# Altium PCB mb.PcbDoc
Units mm, origin at the board's own origin, x right, y up, seen from the top; angles counter-clockwise.
Board outline 68.58 x 106.93 mm, 2 copper layers (Top Layer, Bottom Layer), stack 1.671 mm thick; 8 components, 62 nets, 185 pads, 0 vias.
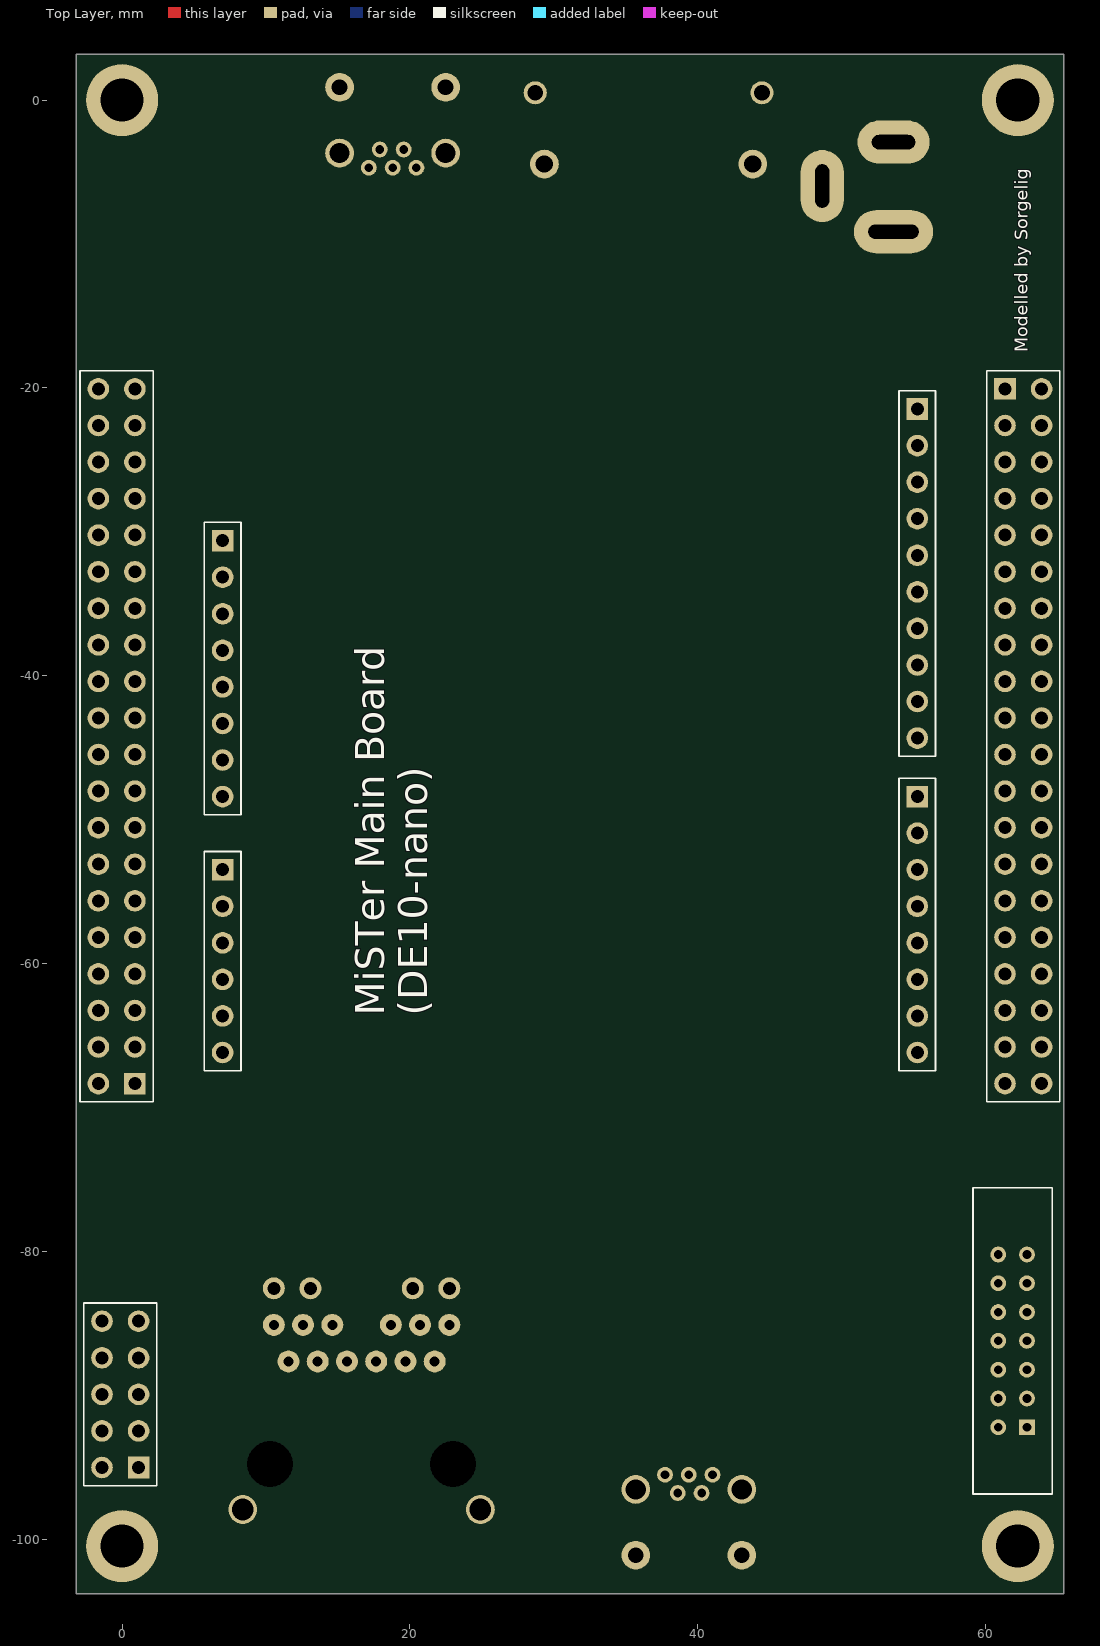
[diagram p0: Top Layer view]
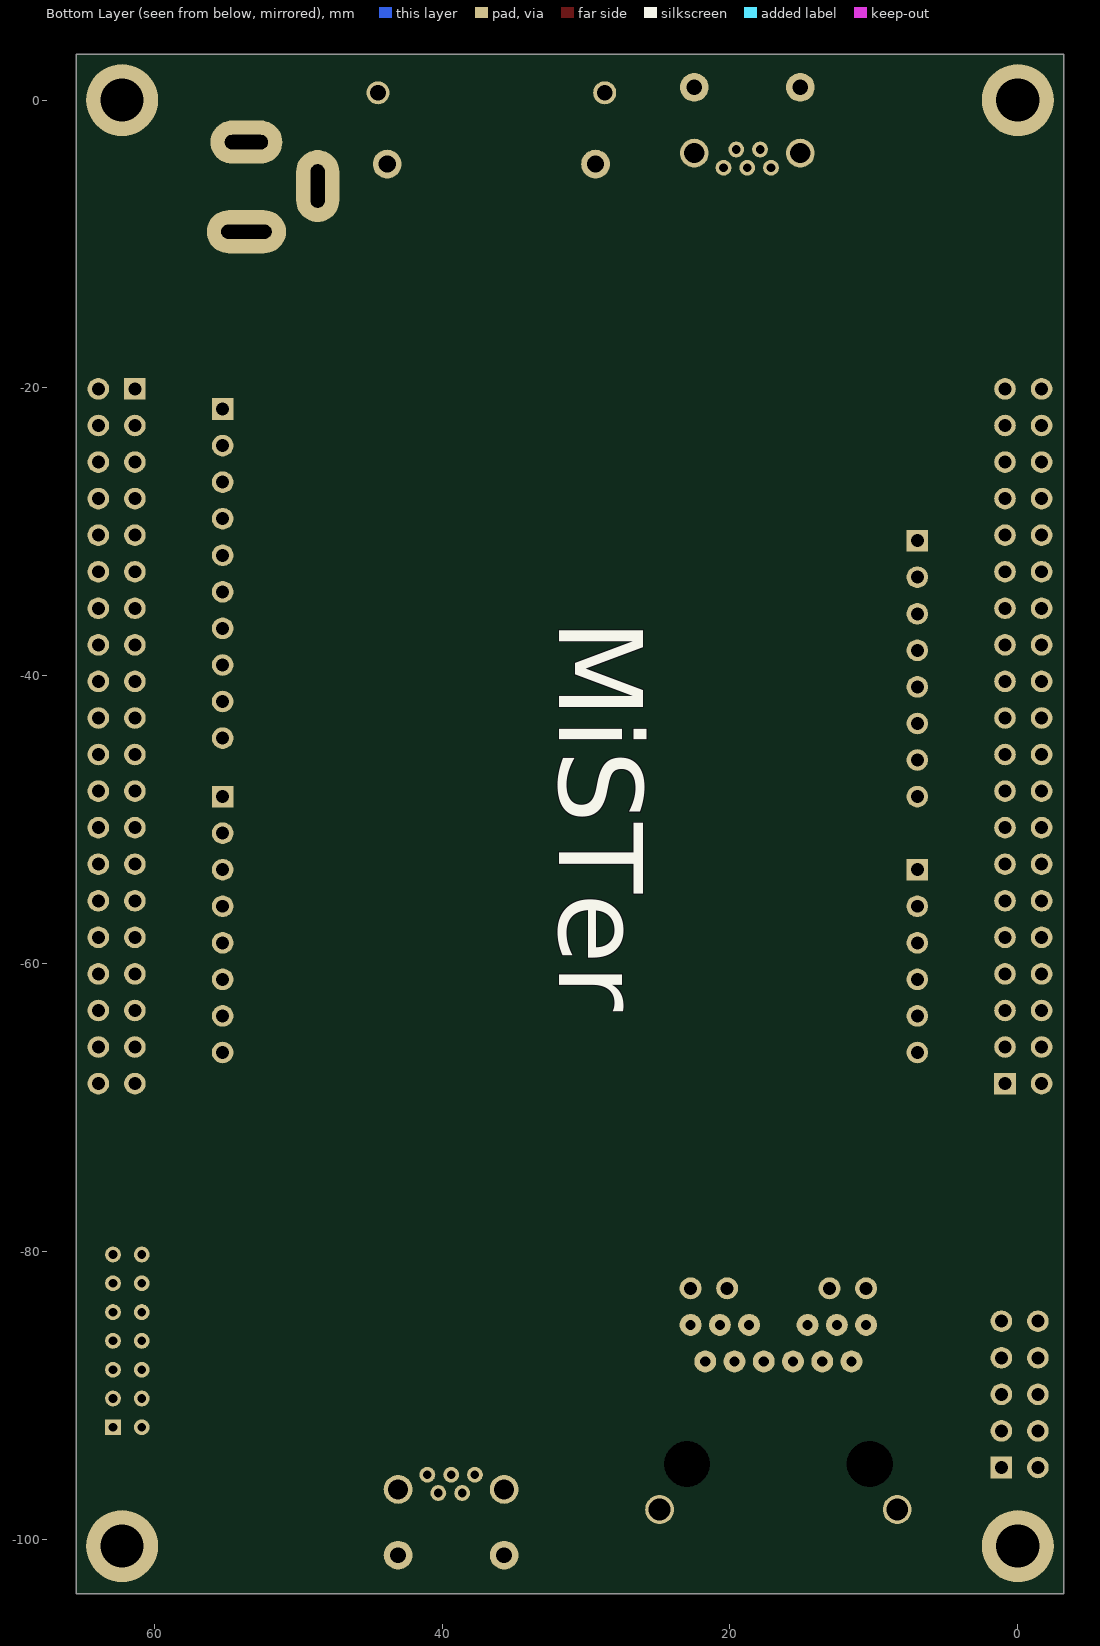
[diagram p1: Bottom Layer view, seen from below]

## Layer stack, top to bottom
Top Solder: solder mask 0.0102, Solder Resist, Dk 3.5
Top Layer: signal copper 0.0356
Dielectric 1: dielectric 1.6, FR-4, Dk 4.8
Bottom Layer: signal copper 0.0356
Bottom Solder: solder mask 0.0102, Solder Resist, Dk 3.5

## Board outline
65.405,3.175 -3.175,3.175 -3.175,-103.759 65.405,-103.759

## Design rules (kind name [scope] priority, off if disabled: settings)
BoardOutlineClearance [All] p1: gap=0 ignorepadtopadclearanceinfootprint=FALSE
Clearance keep-out_Clearance [OnLayer('Keep-Out Layer')] p1: gap=0 ignorepadtopadclearanceinfootprint=TRUE
Clearance [All] p2: gap=0.254 ignorepadtopadclearanceinfootprint=TRUE except(0: Arc-Hole Track-Hole SMDPad-Hole THPad-Hole Via-Hole Fill-Hole Poly-Hole Region-Hole Text-Hole)
ComponentClearance [All] p1 off: gap=0.254 collisioncheckmode=3 verticalgap=0.254 showdistances=FALSE
DiffPairsRouting [All] p1: maxlimit=0.254 minlimit=0.254 mostfreqgap=0.254 toplayer_minwidth=0.381 toplayer_maxwidth=0.381 toplayer_prefwidth=0.381 bottomlayer_minwidth=0.381 bottomlayer_maxwidth=0.381 bottomlayer_prefwidth=0.381 substack1={E4E31694-489D-4C8D-B382-0CE1957CDCA8} toplayer_{e4e31694-489d-4c8d-b382-0ce1957cdca8}_minwidth=0.381 toplayer_{e4e31694-489d-4c8d-b382-0ce1957cdca8}_maxwidth=0.381 toplayer_{e4e31694-489d-4c8d-b382-0ce1957cdca8}_prefwidth=0.381 bottomlayer_{e4e31694-489d-4c8d-b382-0ce1957cdca8}_minwidth=0.381 bottomlayer_{e4e31694-489d-4c8d-b382-0ce1957cdca8}_maxwidth=0.381 bottomlayer_{e4e31694-489d-4c8d-b382-0ce1957cdca8}_prefwidth=0.381 maxuncoupledlength=12.7
Height [All] p1 off: minheight=0 maxheight=25.4 prefheight=12.7
HoleSize [All] p1: absolutevalues=TRUE maxlimit=5 minlimit=0.025 maxpercent=80.000 minpercent=20.000
MinimumSolderMaskSliver [All] p1: minsoldermaskwidth=0.127
PolygonConnect PolygonConnect_comp [HasFootprint('C0805')] p1: connectstyle=Relief reliefconductorwidth=0.508 reliefentries=4 polygonreliefangle="90 Angle" airgapwidth=0.254
PolygonConnect PolygonConnect_comp_2 [HasFootprint('microsd')] p2: connectstyle=Relief reliefconductorwidth=0.508 reliefentries=4 polygonreliefangle="90 Angle" airgapwidth=0.254
PolygonConnect PolygonConnect_comp_3 [HasFootprint('tact 12x12')] p3: connectstyle=Relief reliefconductorwidth=0.508 reliefentries=4 polygonreliefangle="90 Angle" airgapwidth=0.254
PolygonConnect PolygonConnect_comp_1 [HasFootprint('TACT_60X35')] p4: connectstyle=Relief reliefconductorwidth=0.508 reliefentries=4 polygonreliefangle="90 Angle" airgapwidth=0.254
PolygonConnect [All] p5: connectstyle=Direct reliefconductorwidth=0.254 reliefentries=4 polygonreliefangle="90 Angle" airgapwidth=0.254
RoutingVias [All] p1: holewidth=0.4 width=0.9 viastyle="Through Hole" minholewidth=0.4 minwidth=0.9 maxholewidth=0.4 maxwidth=1
SilkToSilkClearance [All] p1 off: silktosilkclearance=0.254
SilkToSolderMaskClearance [IsPad] p1 off: minsilkscreentomaskgap=0.254 clearancetoexposedcopper=TRUE
SolderMaskExpansion SolderMaskExpansion_J1 [InComponent('J1')] p1: expansion=0 istentingtop=FALSE
SolderMaskExpansion [All] p2: expansion=0.051 istentingtop=FALSE
Width Width_power [InNetClass('power')] p1: maxlimit=2 minlimit=0.254 preferedwidth=0.508 substack1={E4E31694-489D-4C8D-B382-0CE1957CDCA8} minimp=50.000000 maximp=50.000000 favimp=50.000000
Width Width_signal [All] p2: maxlimit=0.254 minlimit=0.254 preferedwidth=0.254 substack1={E4E31694-489D-4C8D-B382-0CE1957CDCA8}
23 further rules are at their usual default settings.

## Classes and differential pairs
net class power: GND NetP5_1 VCC VDD VGA_PWR

## Components (designator, comment, footprint, x,y, rotation, side; value= is the part's Value field where it differs from the comment)
? "" hdr7x2m2 62.865,-92.202 r90 top locked
? "" hdr20x2m 0.889,-68.326 r90 top locked
? "" hdr20x2m 61.341,-20.066 r270 top locked
? "" hdr10f 55.245,-21.463 r270 top locked
? "" hdr8f 55.245,-48.387 r270 top locked
? "" hdr8f 6.985,-30.607 r270 top locked
? "" hdr6f 6.985,-53.467 r270 top locked
? "" hdr5x2m 1.143,-94.996 r90 top locked

## Footprints (in the part's own frame and the unit in brackets; to place one, negate y for a bottom-side part, rotate by r counter-clockwise, add the part's x,y. Pads: shape width x height; smd on the part's side, far side on the other; paste and mask are expansions set on the pad)
hdr5x2m [mm] "Header, Vertical, 2.54 mm pitch; 0.65 mm lead width, 10 pins, 2 rows, 5 pins per row, 12.70 mm L X 5.08 mm W X 8.60 mm H body"
  rect 1.5x1.5 hole 0.9 paste-1.5: 1(0,0)
  round 1.5 hole 0.9 paste-1.5: 2(0,2.54) 3(2.54,0) 4(2.54,2.54) 5(5.08,0) 6(5.08,2.54) 7(7.62,0) 8(7.62,2.54) 9(10.16,0) 10(10.16,2.54)
  silkscreen extent -1.27,-1.27 11.43,3.81, body extent -1.27,-1.27 11.43,3.81, height 8.6
hdr6f [mm] "Header, Vertical Receptacle, 2.54 mm pitch; 0.65 mm lead width, 6 pins, 1 row, 6 pins per row, 15.24 mm L X 2.54 mm W X 13.30 mm H body"
  rect 1.5x1.5 hole 0.9 paste-1.5: 1(0,0)
  round 1.5 hole 0.9 paste-1.5: 2(2.54,0) 3(5.08,0) 4(7.62,0) 5(10.16,0) 6(12.7,0)
  silkscreen extent -1.27,-1.27 13.97,1.27, body extent -1.27,-1.27 13.97,1.27, height 13.3
hdr7x2m2 [mm] "Header, Vertical Shrouded, 2.00 mm pitch; 0.47 mm lead width, 14 pins, 2 rows, 7 pins per row, 21.25 mm L X 5.50 mm W X 5.60 mm H body"
  rect 1.1x1.1 hole 0.6 paste-1.1: 1(0,0)
  round 1.1 hole 0.6 paste-1.1: 2(0,2) 3(2,0) 4(2,2) 5(4,0) 6(4,2) 7(6,0) 8(6,2) 9(8,0) 10(8,2) 11(10,0) 12(10,2) 13(12,0) 14(12,2)
  silkscreen extent -4.63,-1.75 16.63,3.75, body extent -4.62,-1.75 16.63,3.75, height 5.6
hdr8f [mm] "Header, Vertical Receptacle, 2.54 mm pitch; 0.65 mm lead width, 8 pins, 1 row, 8 pins per row, 20.32 mm L X 2.54 mm W X 13.30 mm H body"
  rect 1.5x1.5 hole 0.9 paste-1.5: 1(0,0)
  round 1.5 hole 0.9 paste-1.5: 2(2.54,0) 3(5.08,0) 4(7.62,0) 5(10.16,0) 6(12.7,0) 7(15.24,0) 8(17.78,0)
  silkscreen extent -1.27,-1.27 19.05,1.27, body extent -1.27,-1.27 19.05,1.27, height 13.3
hdr10f [mm] "Header, Vertical Receptacle, 2.54 mm pitch; 0.65 mm lead width, 10 pins, 1 row, 10 pins per row, 25.40 mm L X 2.54 mm W X 13.30 mm H body"
  rect 1.5x1.5 hole 0.9 paste-1.5: 1(0,0)
  round 1.5 hole 0.9 paste-1.5: 2(2.54,0) 3(5.08,0) 4(7.62,0) 5(10.16,0) 6(12.7,0) 7(15.24,0) 8(17.78,0) 9(20.32,0) 10(22.86,0)
  silkscreen extent -1.27,-1.27 24.13,1.27, body extent -1.27,-1.27 24.13,1.27, height 13.3
hdr20x2m [mm] "Header, Vertical, 2.54 mm pitch; 0.65 mm lead width, 40 pins, 2 rows, 20 pins per row, 50.80 mm L X 5.08 mm W X 8.60 mm H body"
  rect 1.5x1.5 hole 0.9 paste-1.5: 1(0,0)
  round 1.5 hole 0.9 paste-1.5: 2(0,2.54) 3(2.54,0) 4(2.54,2.54) 5(5.08,0) 6(5.08,2.54) 7(7.62,0) 8(7.62,2.54) 9(10.16,0) 10(10.16,2.54) 11(12.7,0) 12(12.7,2.54) 13(15.24,0) 14(15.24,2.54) 15(17.78,0) 16(17.78,2.54) 17(20.32,0) 18(20.32,2.54) 19(22.86,0) 20(22.86,2.54) 21(25.4,0) 22(25.4,2.54) 23(27.94,0) 24(27.94,2.54) 25(30.48,0) 26(30.48,2.54) 27(33.02,0) 28(33.02,2.54) 29(35.56,0) 30(35.56,2.54) 31(38.1,0) 32(38.1,2.54) 33(40.64,0) 34(40.64,2.54) 35(43.18,0) 36(43.18,2.54) 37(45.72,0) 38(45.72,2.54) 39(48.26,0) 40(48.26,2.54)
  silkscreen extent -1.27,-1.27 49.53,3.81, body extent -1.27,-1.27 49.53,3.81, height 8.6

## Free pads (board coordinates)
  round 5 hole 3: ""(0,-100.457) ""(0,0) ""(62.23,-100.457) ""(62.23,0)
  round 2 hole 1.5: ""(8.382,-97.917) ""(24.892,-97.917)
  round 0 hole 3.2 unplated: ""(10.287,-94.742) ""(22.987,-94.742)
  round 1.524 hole 0.7: ""(10.541,-85.09) ""(11.557,-87.63) ""(12.573,-85.09) ""(13.589,-87.63) ""(14.605,-85.09) ""(15.621,-87.63) ""(17.653,-87.63) ""(18.669,-85.09) ""(19.685,-87.63) ""(20.701,-85.09) ""(21.717,-87.63) ""(22.733,-85.09)
  round 1.524 hole 0.9: ""(10.541,-82.55) ""(13.081,-82.55) ""(20.193,-82.55) ""(22.733,-82.55)
  round 2 hole 1.4: ""(15.113,-3.683) ""(22.479,-3.683) ""(35.687,-96.52) ""(43.053,-96.52)
  round 2 hole 1.1: ""(15.113,0.889) ""(22.479,0.889) ""(35.687,-101.092) ""(43.053,-101.092)
  round 1.1 hole 0.6: ""(17.145,-4.699) ""(17.907,-3.429) ""(18.796,-4.699) ""(19.558,-3.429) ""(20.447,-4.699) ""(37.719,-95.504) ""(38.608,-96.774) ""(39.37,-95.504) ""(40.259,-96.774) ""(41.021,-95.504)
  round 1.6 hole 1.1: ""(28.702,0.508) ""(44.45,0.508)
  round 2 hole 1.2: ""(29.337,-4.445) ""(43.815,-4.445)
  oval 3x5 hole 1 slot 3 at 90 deg: ""(48.641,-5.969)
  oval 5.5x3 hole 1 slot 3.5 at 0 deg: ""(53.594,-9.144)
  oval 5x3 hole 1 slot 3 at 0 deg: ""(53.594,-2.921)

## Nets (pads, with @x,y where several pads share a name; then routed paths per layer and width w, separated by ;. In a path a pad name is that pad's centre, name@x,y a point inside that pad or via, vN(x,y) a via of type N, cw(c..) or ccw(c..) an arc to the next point about the centre after c; other vN are vias at no path point)
B: 
btn_osd: 
btn_reset: 
btn_user: 
CLK: 
CMD: 
DAT0: 
DAT1: 
DAT2: 
DAT3: 
G: 
GND: 
HSync: 
led_disk: 
led_power: 
led_user: 
left: 
NetC1_2: 
NetC2_2: 
NetC3_2: 
NetC4_2: 
NetC8_1: 
NetC8_2: 
NetD1_1: 
NetJ3_9: 
NetLED1_2: 
NetLED2_2: 
NetLED3_2: 
NetP1_2: 
NetP1_7: 
NetP1_19: 
NetP1_20: 
NetP1_21: 
NetP1_22: 
NetP1_23: 
NetP1_24: 
NetP1_25: 
NetP1_26: 
NetP1_27: 
NetP1_28: 
NetP1_31: 
NetP1_32: 
NetP1_33: 
NetP1_34: 
NetP1_35: 
NetP1_36: 
NetP1_37: 
NetP1_38: 
NetP1_39: 
NetP1_40: 
NetP5_1: 
NetQ1_1: 
NetQ1_2: 
NetR7_1: 
R: 
reset: 
right: 
spdif: 
VCC: 
VDD: 
VGA_PWR: 
VSync: 
pads on no net: ?.1 ?.2 ?.3 ?.4 ?.5 ?.6 ?.7 ?.8 ?.9 ?.10 ?.11 ?.12 ?.13 ?.14 ?.15 ?.16 ?.17 ?.18 ?.19 ?.20 ?.21 ?.22 ?.23 ?.24 ?.25 ?.26 ?.27 ?.28 ?.29 ?.30 ?.31 ?.32 ?.33 ?.34 ?.35 ?.36 ?.37 ?.38 ?.39 ?.40

## Silkscreen, mask and mechanical layers (free items; w line width, h text height)
Top Overlay:
  text "Modelled by Sorgelig" at 63.246,-17.526 h1.52 r90
  text "MiSTer Main Board / (DE10-nano)" at 21.209,-63.627 h2 r90
Bottom Overlay:
  text "MiSTer" at 33.782,-36.068 h10 r90